# Altium PCB UmTRXv2.PcbDoc (part 13 of 25) (continued)
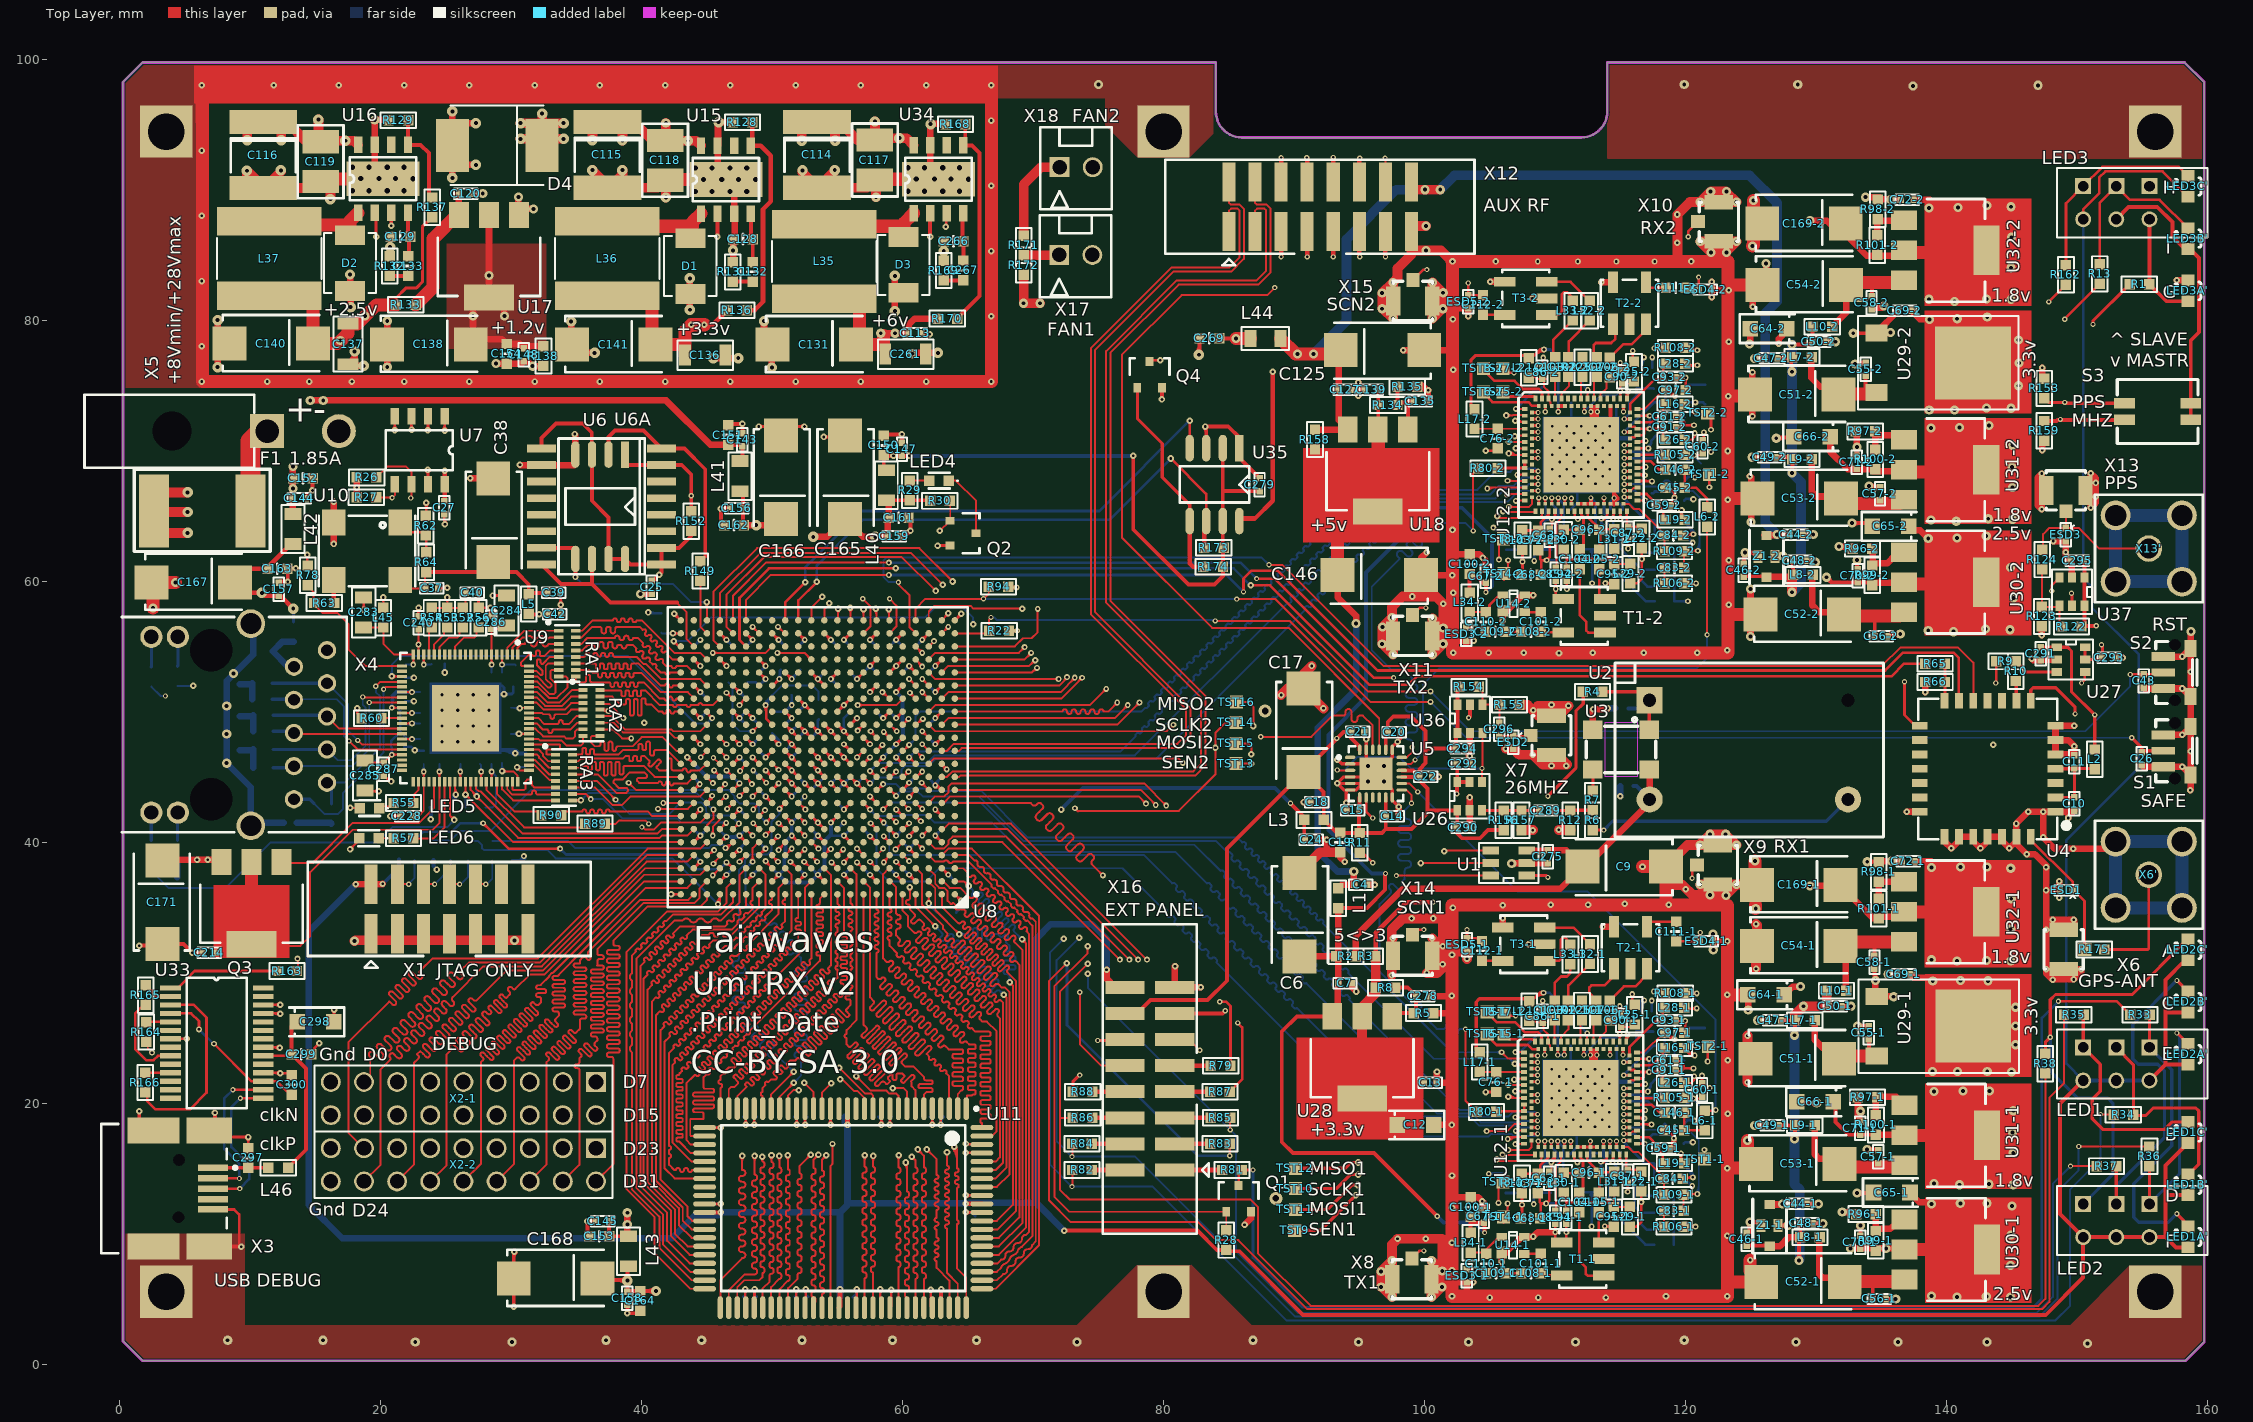
[diagram p0: Top Layer view]
## Nets (pads, with @x,y where several pads share a name; then routed paths per layer and width w, separated by ;. In a path a pad name is that pad's centre, name@x,y a point inside that pad or via, vN(x,y) a via of type N, cw(c..) or ccw(c..) an arc to the next point about the centre after c; other vN are vias at no path point) (continued)
NetC97-2_2: C97-2.2 R119-2.1 U12-2.87 | length 15
  Top Layer w0.15: U12-2.87@116.321,73.18 116.846,73.18 118.366,74.7 118.45,74.7 118.95,74.2 ; v2@119.056,74.241 ccw(c118.917,74.279) 119.019,74.381 ccw(c119.12,74.482) v2@119.159,74.344 ; C97-2.2@118.517,74.633 ccw(c119.2,75.315) v2@119.2,74.35 ; C97-2.2@118.517,74.633 ccw(c119.2,75.315) v2@119.2,74.35 ; C97-2.2@118.517,74.633 ccw(c119.2,75.315) v2@119.2,74.35 ; C97-2.2@118.773,74.377 ccw(c119.2,74.803) v2(119.2,74.2) ; C97-2.2@118.773,74.377 ccw(c119.2,74.803) v2(119.2,74.2) ; C97-2.2@118.773,74.377 ccw(c119.2,74.803) v2(119.2,74.2) ; C97-2.2@118.898,74.281 cw(c118.834,74.039) v2@119.063,74.14 ; C97-2.2@118.898,74.281 ccw(c118.963,74.522) v2@119.111,74.321 ; C97-2.2@118.898,74.281 ccw(c118.963,74.522) v2@119.111,74.321 ; C97-2.2@118.898,74.281 cw(c118.834,74.039) v2@119.063,74.14 ; C97-2.2@118.898,74.281 ccw(c118.963,74.522) v2@119.111,74.321 ; C97-2.2@118.898,74.281 cw(c118.834,74.039) v2@119.063,74.14 ; C97-2.2@118.9,74.43 cw(c118.772,73.953) v2(119.2,74.2) ; C97-2.2@118.9,74.43 cw(c118.772,73.953) v2(119.2,74.2) ; C97-2.2@118.9,74.43 cw(c118.772,73.953) v2(119.2,74.2) ; 118.95,74.2 cw(c118.95,74.067) v2@119.067,74.129 ; 118.95,74.2 ccw(c118.95,74.333) v2@119.068,74.271 ; 118.95,74.2 ccw(c118.95,74.333) v2@119.068,74.271 ; 118.95,74.2 cw(c118.95,74.067) v2@119.067,74.129 ; 118.95,74.2 ccw(c118.95,74.333) v2@119.068,74.271 ; 118.95,74.2 cw(c118.95,74.067) v2@119.067,74.129 ; 118.95,74.2 v2(119.2,74.2)
  Bottom Layer w0.15: v2(119.2,74.2) 119.15,74.15 119.2,74.1 119.2,73 119.45,72.75 119.75,72.75 R119-2.1@119.95,72.55 ; v2@119.094,74.094 cw(c118.838,73.838) 119.2,73.838 ; v2@119.094,74.094 cw(c118.838,73.838) 119.2,73.838 ; v2@119.094,74.094 cw(c118.838,73.838) 119.2,73.838 ; 119.2,73.838 cw(c119.562,73.838) v2@119.306,74.094 ; 119.2,73.838 cw(c119.562,73.838) v2@119.306,74.094 ; 119.2,73.838 cw(c119.562,73.838) v2@119.306,74.094
NetC98-1_1: C98-1.1 C99-1.1 R119-1.2 U12-1.80 | length 9
  Top Layer w0.2: v4@115.282,22.138 U12-1.80@115.707,22.138 ; v4@115.328,22.067 cw(c115.498,21.897) 115.498,22.138 ; v4@115.328,22.067 cw(c115.498,21.897) 115.498,22.138 ; v4@115.328,22.067 cw(c115.498,21.897) 115.498,22.138 ; v4@115.328,22.209 ccw(c115.498,22.379) 115.498,22.138 ; v4@115.328,22.209 ccw(c115.498,22.379) 115.498,22.138 ; v4@115.328,22.209 ccw(c115.498,22.379) 115.498,22.138
  Bottom Layer w0.2: v4(115.257,22.138) 117.527,24.408 C98-1.1@118.411,24.408 ; R119-1.2@118.411,23.258 C98-1.1@118.411,24.408 ; C99-1.1@118.411,25.508 C98-1.1@118.411,24.408 ; v4@115.257,22.238 ccw(c115.257,22.479) 115.428,22.309 ; v4@115.257,22.238 ccw(c115.257,22.479) 115.428,22.309 ; v4@115.257,22.238 ccw(c115.257,22.479) 115.428,22.309 ; v4@115.357,22.138 cw(c115.598,22.138) 115.428,22.309 ; v4@115.357,22.138 cw(c115.598,22.138) 115.428,22.309 ; v4@115.357,22.138 cw(c115.598,22.138) 115.428,22.309
NetC98-2_1: C98-2.1 C99-2.1 R119-2.2 U12-2.80 | length 9
  Top Layer w0.2: v4@115.321,71.43 U12-2.80@115.746,71.43 ; v4@115.367,71.359 cw(c115.537,71.188) 115.537,71.43 ; v4@115.367,71.359 cw(c115.537,71.188) 115.537,71.43 ; v4@115.367,71.359 cw(c115.537,71.188) 115.537,71.43 ; v4@115.367,71.501 ccw(c115.537,71.671) 115.537,71.43 ; v4@115.367,71.501 ccw(c115.537,71.671) 115.537,71.43 ; v4@115.367,71.501 ccw(c115.537,71.671) 115.537,71.43
  Bottom Layer w0.2: v4(115.296,71.43) 117.566,73.7 C98-2.1@118.45,73.7 ; R119-2.2@118.45,72.55 C98-2.1@118.45,73.7 ; C99-2.1@118.45,74.8 C98-2.1@118.45,73.7 ; v4@115.296,71.53 ccw(c115.296,71.771) 115.467,71.601 ; v4@115.296,71.53 ccw(c115.296,71.771) 115.467,71.601 ; v4@115.296,71.53 ccw(c115.296,71.771) 115.467,71.601 ; v4@115.396,71.43 cw(c115.637,71.43) 115.467,71.601 ; v4@115.396,71.43 cw(c115.637,71.43) 115.467,71.601 ; v4@115.396,71.43 cw(c115.637,71.43) 115.467,71.601
NetC99-1_2: C99-1.2 R121-1.1 | length 1.7
  Bottom Layer w0.2: C99-1.2@119.911,25.508 120.161,25.758 R121-1.1@121.461,25.758
NetC99-2_2: C99-2.2 R121-2.1 | length 1.7
  Bottom Layer w0.2: C99-2.2@119.95,74.8 120.2,75.05 R121-2.1@121.5,75.05
NetC101-1_1: C101-1.1 C108-1.1 T1-1.4 | length 1.8
  Top Layer w0.2: C101-1.1@108.65,6.788 T1-1.4@110.461,6.788
NetC101-1_2: C101-1.2 U14-1.3 | length 1.1
  Top Layer w0.2: U14-1.3@107.625,8.45 C101-1.2@108.75,8.45
NetC101-2_1: C101-2.1 C108-2.1 T1-2.4 | length 1.8
  Top Layer w0.2: C101-2.1@108.7,56.08 T1-2.4@110.5,56.08
NetC101-2_2: C101-2.2 U14-2.3 | length 1.2
  Top Layer w0.2: U14-2.3@107.675,57.625 C101-2.2@108.9,57.625
NetC102-1_1: C102-1.1 U12-1.108 | length 1.9
  Top Layer w0.15: U12-1.108@110.457,24.713 110.457,25.104 111.011,25.658 C102-1.1@111.011,26.358
NetC102-1_2: C102-1.2 L32-1.1 | length 3.5
  Top Layer w0.2: C102-1.2@111.011,27.858 111.011,29.011 L32-1.1@112.675,30.675
NetC102-2_1: C102-2.1 U12-2.108 | length 1.9
  Top Layer w0.15: U12-2.108@110.496,74.005 110.496,74.396 111.05,74.95 C102-2.1@111.05,75.65
NetC102-2_2: C102-2.2 L32-2.1 | length 3.5
  Top Layer w0.2: C102-2.2@111.05,77.15 111.05,78.375 L32-2.1@112.65,79.975
NetC103-1_1: C103-1.1 U12-1.110 | length 1.6
  Top Layer w0.15: U12-1.110@109.957,24.713 109.957,26.354 C103-1.1@109.961,26.358
NetC103-1_2: C103-1.2 L33-1.1 | length 3.6
  Top Layer w0.2: C103-1.2@109.961,27.858 109.961,29.209 110.452,29.7 110.9,29.7 111.175,29.975 L33-1.1@111.175,30.65
NetC103-2_1: C103-2.1 U12-2.110 | length 1.6
  Top Layer w0.15: U12-2.110@109.996,74.005 109.996,75.646 C103-2.1@110,75.65
NetC103-2_2: C103-2.2 L33-2.1 | length 3.5
  Top Layer w0.2: C103-2.2@110,77.15 109.85,77.3 109.85,78.475 L33-2.1@111.35,79.975
NetC104-1_2: C104-1.2 T1-1.3 | length 6.3
  Top Layer w0.2: C104-1.2@111.857,11.638 111.857,7.893 112.361,7.389 112.361,6.908 112.511,6.758 113.631,6.758 T1-1.3@113.661,6.788
NetC104-2_2: C104-2.2 T1-2.3 | length 6.3
  Top Layer w0.2: C104-2.2@111.896,60.93 111.896,57.379 112.4,56.875 112.4,56.2 112.55,56.05 113.67,56.05 T1-2.3@113.7,56.08
NetC105-1_2: C105-1.2 T1-1.1 | length 2.4
  Top Layer w0.2: C105-1.2@113.357,11.638 113.357,10.212 ; 113.361,10.208 113.357,10.212 ; T1-1.1@113.661,9.328 113.357,9.632 113.357,10.212
NetC105-2_2: C105-2.2 T1-2.1 | length 2.4
  Top Layer w0.2: C105-2.2@113.396,60.93 113.396,59.504 ; 113.4,59.5 113.396,59.504 ; T1-2.1@113.7,58.62 113.396,58.924 113.396,59.504
NetC106-1_1: C106-1.1 U12-1.96 | length 1.6
  Top Layer w0.15: U12-1.96@113.457,24.713 113.457,25.054 113.911,25.508 C106-1.1@113.911,26.108
NetC106-1_2: C106-1.2 T2-1.1 | length 4.2
  Top Layer w0.2: C106-1.2@114.157,27.838 115.269,28.95 116.15,28.95 117.045,29.845 T2-1.1@117.045,30.3
NetC106-2_1: C106-2.1 U12-2.96 | length 1.6
  Top Layer w0.15: U12-2.96@113.496,74.005 113.496,74.346 113.95,74.8 C106-2.1@113.95,75.4
NetC106-2_2: C106-2.2 T2-2.1 | length 4.1
  Top Layer w0.2: C106-2.2@114.196,77.13 115.216,78.15 115.875,78.15 116.97,79.245 T2-2.1@116.97,79.7
NetC107-1_1: C107-1.1 U12-1.98 | length 1.7
  Top Layer w0.15: U12-1.98@112.957,24.713 112.957,26.204 C107-1.1@113.111,26.358
NetC107-1_2: C107-1.2 T2-1.3 | length 4
  Top Layer w0.2: C107-1.2@113.111,27.858 113.111,27.964 112.625,28.45 112.625,28.875 112.775,29.025 113.8,29.025 114.505,29.73 T2-1.3@114.505,30.3
NetC107-2_1: C107-2.1 U12-2.98 | length 1.7
  Top Layer w0.15: U12-2.98@112.996,74.005 112.996,75.496 C107-2.1@113.15,75.65
NetC107-2_2: C107-2.2 T2-2.3 | length 4.1
  Top Layer w0.2: C107-2.2@113.15,77.15 112.975,77.325 112.975,78.1 113.125,78.25 114.3,78.25 114.625,78.575 114.625,79.075 114.43,79.27 T2-2.3@114.43,79.7
NetC108-1_2: C108-1.2 C109-1.1 | length 1.2
  Top Layer w0.2: C109-1.1@106.225,6.95 C108-1.2@107.4,6.95
NetC108-2_2: C108-2.2 C109-2.1 | length 1.2
  Top Layer w0.2: C109-2.1@106.175,56.125 C108-2.2@107.4,56.125
NetC110-1_1: C110-1.1 L34-1.2 U14-1.1 | length 3
  Top Layer w0.15: L34-1.2@103.525,8.55 C110-1.1@104.725,8.55 ; U14-1.1@105.7,9.75 U14-1.1@105.925,9.75
  Top Layer w0.2: C110-1.1@104.725,8.55 104.725,8.775 U14-1.1@105.7,9.75
NetC110-2_1: C110-2.1 L34-2.2 U14-2.1 | length 3.2
  Top Layer w0.15: L34-2.2@103.45,57.625 C110-2.1@104.675,57.625
  Top Layer w0.2: C110-2.1@104.675,57.625 104.975,57.925 104.975,58.175 105.725,58.925 U14-2.1@105.975,58.925
NetC111-1_2: C111-1.2 T2-1.6 | length 2.8
  Top Layer w0.15: T2-1.6@117.045,33.5 117.045,34.045 T2-1.6@117.19,33.9
  Top Layer w0.2: T2-1.6@117.19,33.9 C111-1.2@119.275,33.9
NetC111-2_2: C111-2.2 T2-2.6 | length 1.8
  Top Layer w0.2: T2-2.6@116.97,82.9 116.97,82.68 117.175,82.475 C111-2.2@118.5,82.475
NetC112-1_1: C112-1.1 T3-1.4 | length 1.6
  Top Layer w0.15: C112-1.1@104.4,30.925 C112-1.1@104.42,30.905
  Top Layer w0.2: C112-1.1@104.42,30.905 T3-1.4@106,30.905
NetC112-2_1: C112-2.1 T3-2.4 | length 1.7
  Top Layer w0.2: C112-2.1@104.475,80.425 104.495,80.405 T3-2.4@106.15,80.405
NetC120_1: C120.1 R133.2 U17.3 | length 9.9
  Top Layer w0.5: U17.3@26,88.525 C120.1@26,89.675
  Top Layer w1: R133.2@22.675,81.175 24.025,82.525 24.025,86.25 26,88.225 U17.3@26,88.525
NetC128_1: C128.1 C132.1 U15.4 | length 3.7
  Top Layer w0.3: U15.4@48.393,88.179 48.393,86.29 48.415,86.268 C128.1@48.434,86.287 ; C132.1@48.515,84.425 C128.1@48.515,86.218
NetC129_1: C129.1 C133.1 U16.4 | length 3.3
  Top Layer w0.3: C129.1@22.08,86.45 U16.4@22.08,88.295 ; C133.1@22.175,84.855 C129.1@22.175,86.35
NetC132_2: C132.2 R131.1 | length 1.5
  Top Layer w0.3: R131.1@46.975,82.95 C132.2@48.5,82.95 C132.2@48.525,82.95
NetC133_2: C133.2 R132.1 | length 1.3
  Top Layer w0.3: R132.1@20.75,83.4 C133.2@22.099,83.4
NetC135_1: C135.1 R134.2 R135.1 U18.1 | length 4.7
  Top Layer w0.3: R135.1@97.925,75 R135.1@97.925,74.9 97.925,73.75 97.975,73.7 98.725,73.7 ; U18.1@98.725,71.625 98.725,73.7 ; C135.1@99.225,73.8 98.825,73.8 98.725,73.7
NetC137_1: C137.1 C140.1 C143.1 C144.1 C145.1 C151.1 C152.1 C153.1 L37.2 L41.1 L42.1 L43.1 R133.1 R137.1 | length 174.7
  Top Layer w0.25: R133.1@21.175,81.175 21.175,81.7 21.95,82.475 22.75,82.475 23.2,82.925 23.2,87.15 R137.1@23.95,87.9
  Top Layer w0.3: C145.1@37.5,10.95 C153.1@37.5,9.8 L43.1@39,9.8 ; C151.1@46.625,70.45 47.675,70.45 C143.1@47.725,70.4 ; L41.1@47.525,69.2 47.725,69.4 C143.1@47.725,70.35
  Top Layer w0.5: L42.1@13.275,65.175 v3(13.275,67.1) v3(13.275,68.8) ; v3(14.6,73.85) v3(15.6,73.85) 41.875,73.85 45.275,70.45 C151.1@46.275,70.45 ; v3@38.9,11.4 v3(38.9,10.7) 38.9,9.9 L43.1@39,9.8
  Top Layer w1: L37.2@11.4,82.05 14.65,82.05 14.8,81.9 C140.1@14.8,78.2 16.7,78.2 17.5,79 C137.1@17.5,79.725 18.225,79.725 19.675,81.175 R133.1@21.175,81.175
  Mid-Layer 2 w0.5: v3(18.8,80.325) 16.925,78.45 v3(16.9,78.45) 15.6,77.15 v3(15.6,73.85) v3(14.6,73.85) 14.6,70.125 v3(13.275,68.8) v3(13.275,67.1) 13.275,62.425 12,61.15 12,36.5 1.75,26.25 1.75,22.975 13.125,11.6 v3(38.9,11.6) v3(38.9,10.7)
NetC146-1_2: C146-1.2 U12-1.71 | length 2.4
  Top Layer w0.2: U12-1.71@116.282,19.888 117.387,19.888 118.025,19.25 C146-1.2@118.4,19.25
NetC146-2_2: C146-2.2 U12-2.71 | length 2.4
  Top Layer w0.2: U12-2.71@116.321,69.18 117.345,69.18 117.975,68.55 C146-2.2@118.45,68.55
NetC214_2: C214.2 C236.1 C237.1 C238.1 C239.1 C240.1 C241.1 C242.1 C243.1 C244.1 C245.1 C280.1 C284.1 C285.1 C286.2 C287.2 Q3.2 Q3.4 U9.6 U9.19 U9.20 U9.27 U9.30 U9.33 U9.36 U9.39 U9.48 U9.56 U9.63 | length 112.6
  Top Layer w0.1: U9.63@30.5,44.625 U9.63@30.5,44.975
  Top Layer w0.15: Q3.4@10.1,32.85 10.9,32.05 13.85,32.05 14.6,32.8 14.6,37.7 17.85,40.95 24,40.95 24.5,41.45 U9.48@24.5,44.625 v2(24.5,45.4) ; C285.1@18.8,46.05 18.85,46.1 C287.2@20.25,46.1 v2(20.85,46.7) ; v2(20.85,50.3) U9.30@21.625,50.3 ; U9.39@21.625,46.7 v2(20.85,46.7) ; U9.36@21.625,47.9 v2(22.4,47.9) ; U9.33@21.625,49.1 v2(22.4,49.1) ; U9.27@21.625,51.5 v2(22.4,51.5) ; U9.20@22.9,54.375 v2(22.9,55.15) C240.1@22.9,56.3 ; v2(23.3,53.6) U9.19@23.3,54.375 ; U9.56@27.7,44.625 v2(27.7,45.4) ; v2(28.5,53.6) U9.6@28.5,54.375 28.5,56.25 28.4,56.35 C286.2@28.475,56.35 29.4,56.35 C284.1@29.65,56.6 ; v1(29.3,45.45) 29.3,45.4 30.199,45.4 30.274,45.325 ; 30.275,45.325 30.5,45.1 U9.63@30.5,44.975 ; 20.594,46.444 cw(c20.85,46.188) v2@20.85,46.55 ; 20.594,46.444 ccw(c20.338,46.7) v2@20.7,46.7 ; 20.594,46.444 ccw(c20.338,46.7) v2@20.7,46.7 ; 20.594,46.444 cw(c20.85,46.188) v2@20.85,46.55 ; 20.594,46.444 ccw(c20.338,46.7) v2@20.7,46.7 ; 20.594,46.444 cw(c20.85,46.188) v2@20.85,46.55 ; 20.649,46.511 cw(c20.903,46.443) v2(20.85,46.7) ; 20.649,46.511 cw(c20.903,46.443) v2(20.85,46.7) ; 20.649,46.511 cw(c20.903,46.443) v2(20.85,46.7) ; 20.661,46.499 ccw(c20.593,46.753) v2(20.85,46.7) ; 20.661,46.499 ccw(c20.593,46.753) v2(20.85,46.7) ; 20.661,46.499 ccw(c20.593,46.753) v2(20.85,46.7) ; v2@20.956,46.594 cw(c21.212,46.338) 21.212,46.7 ; v2@20.956,46.594 cw(c21.212,46.338) 21.212,46.7 ; v2@20.956,46.594 cw(c21.212,46.338) 21.212,46.7 ; v2@20.956,46.806 ccw(c21.212,47.062) 21.212,46.7 ; v2@20.956,46.806 ccw(c21.212,47.062) 21.212,46.7 ; v2@20.956,46.806 ccw(c21.212,47.062) 21.212,46.7 ; v2@20.956,50.194 cw(c21.212,49.938) 21.212,50.3 ; v2@20.956,50.194 cw(c21.212,49.938) 21.212,50.3 ; v2@20.956,50.194 cw(c21.212,49.938) 21.212,50.3 ; v2@20.956,50.406 ccw(c21.212,50.662) 21.212,50.3 ; v2@20.956,50.406 ccw(c21.212,50.662) 21.212,50.3 ; v2@20.956,50.406 ccw(c21.212,50.662) 21.212,50.3 ; 22.038,47.9 cw(c22.038,47.538) v2@22.294,47.794 ; 22.038,47.9 ccw(c22.038,48.262) v2@22.294,48.006 ; 22.038,47.9 ccw(c22.038,48.262) v2@22.294,48.006 ; 22.038,47.9 cw(c22.038,47.538) v2@22.294,47.794 ; 22.038,47.9 ccw(c22.038,48.262) v2@22.294,48.006 ; 22.038,47.9 cw(c22.038,47.538) v2@22.294,47.794 ; 22.038,49.1 cw(c22.038,48.738) v2@22.294,48.994 ; 22.038,49.1 ccw(c22.038,49.462) v2@22.294,49.206 ; 22.038,49.1 ccw(c22.038,49.462) v2@22.294,49.206 ; 22.038,49.1 cw(c22.038,48.738) v2@22.294,48.994 ; 22.038,49.1 ccw(c22.038,49.462) v2@22.294,49.206 ; 22.038,49.1 cw(c22.038,48.738) v2@22.294,48.994 ; 22.038,51.5 cw(c22.038,51.138) v2@22.294,51.394 ; 22.038,51.5 ccw(c22.038,51.862) v2@22.294,51.606 ; 22.038,51.5 ccw(c22.038,51.862) v2@22.294,51.606 ; 22.038,51.5 cw(c22.038,51.138) v2@22.294,51.394 ; 22.038,51.5 ccw(c22.038,51.862) v2@22.294,51.606 ; 22.038,51.5 cw(c22.038,51.138) v2@22.294,51.394 ; v2@22.794,55.044 cw(c22.538,54.788) 22.9,54.788 ; v2@22.794,55.044 cw(c22.538,54.788) 22.9,54.788 ; v2@22.794,55.044 cw(c22.538,54.788) 22.9,54.788 ; v2@22.794,55.256 ccw(c22.538,55.512) 22.9,55.512 ; v2@22.794,55.256 ccw(c22.538,55.512) 22.9,55.512 ; v2@22.794,55.256 ccw(c22.538,55.512) 22.9,55.512 ; 22.9,54.788 cw(c23.262,54.788) v2@23.006,55.044 ; 22.9,54.788 cw(c23.262,54.788) v2@23.006,55.044 ; 22.9,54.788 cw(c23.262,54.788) v2@23.006,55.044 ; 22.9,55.512 ccw(c23.262,55.512) v2@23.006,55.256 ; 22.9,55.512 ccw(c23.262,55.512) v2@23.006,55.256 ; 22.9,55.512 ccw(c23.262,55.512) v2@23.006,55.256 ; v2@23.194,53.706 ccw(c22.938,53.962) 23.3,53.962 ; v2@23.194,53.706 ccw(c22.938,53.962) 23.3,53.962 ; v2@23.194,53.706 ccw(c22.938,53.962) 23.3,53.962 ; 23.3,53.962 ccw(c23.662,53.962) v2@23.406,53.706 ; 23.3,53.962 ccw(c23.662,53.962) v2@23.406,53.706 ; 23.3,53.962 ccw(c23.662,53.962) v2@23.406,53.706 ; v2@24.394,45.294 cw(c24.138,45.038) 24.5,45.038 ; v2@24.394,45.294 cw(c24.138,45.038) 24.5,45.038 ; v2@24.394,45.294 cw(c24.138,45.038) 24.5,45.038 ; 24.5,45.038 cw(c24.862,45.038) v2@24.606,45.294 ; 24.5,45.038 cw(c24.862,45.038) v2@24.606,45.294 ; 24.5,45.038 cw(c24.862,45.038) v2@24.606,45.294 ; v2@27.594,45.294 cw(c27.338,45.038) 27.7,45.038 ; v2@27.594,45.294 cw(c27.338,45.038) 27.7,45.038 ; v2@27.594,45.294 cw(c27.338,45.038) 27.7,45.038 ; 27.7,45.038 cw(c28.062,45.038) v2@27.806,45.294 ; 27.7,45.038 cw(c28.062,45.038) v2@27.806,45.294 ; 27.7,45.038 cw(c28.062,45.038) v2@27.806,45.294 ; v2@28.394,53.706 ccw(c28.138,53.962) 28.5,53.962 ; v2@28.394,53.706 ccw(c28.138,53.962) 28.5,53.962 ; v2@28.394,53.706 ccw(c28.138,53.962) 28.5,53.962 ; 28.5,53.962 ccw(c28.862,53.962) v2@28.606,53.706 ; 28.5,53.962 ccw(c28.862,53.962) v2@28.606,53.706 ; 28.5,53.962 ccw(c28.862,53.962) v2@28.606,53.706 ; v1@29.424,45.326 cw(c29.602,45.148) 29.602,45.4 ; v1@29.424,45.326 cw(c29.602,45.148) 29.602,45.4 ; v1@29.424,45.326 cw(c29.602,45.148) 29.602,45.4 ; v1@29.424,45.574 ccw(c29.843,45.993) 29.843,45.4 ; v1@29.424,45.574 ccw(c29.843,45.993) 29.843,45.4 ; v1@29.424,45.574 ccw(c29.843,45.993) 29.843,45.4
  Top Layer w0.3: C214.2@7.35,31.525 Q3.4@8.55,31.525
  Top Layer w1: Q3.4@10.1,32.175 10.1,32.85 Q3.2@10.1,38.475
  Mid-Layer 2 w0.3: v2(22.4,51.5) 23.8,52.9 23.8,54.25 v2(22.9,55.15)
  Bottom Layer w0.15: C245.1@20.8,47.3 20.85,47.25 v2(20.85,46.7) ; v2(20.85,50.3) 20.85,50.75 C242.1@20.9,50.8 ; v2(22.4,47.9) C244.1@23,47.9 ; v2(22.4,49.1) C243.1@23,49.1 ; v2(22.4,51.5) C241.1@23,51.5 ; v2(23.3,53.6) 23.85,53.6 C237.1@23.9,53.65 ; v2(24.5,45.4) C238.1@24.5,46 ; C239.1@27.6,46 27.7,45.9 v2(27.7,45.4) ; C236.1@28.5,53 v2(28.5,53.6) ; v1(29.3,45.45) C280.1@29.3,46.05 ; v2@20.744,46.806 ccw(c20.488,47.062) C245.1@20.85,47.062 ; v2@20.744,46.806 ccw(c20.488,47.062) C245.1@20.85,47.062 ; v2@20.744,46.806 ccw(c20.488,47.062) C245.1@20.85,47.062 ; v2@20.744,50.406 ccw(c20.488,50.662) C242.1@20.85,50.662 ; v2@20.744,50.406 ccw(c20.488,50.662) C242.1@20.85,50.662 ; v2@20.744,50.406 ccw(c20.488,50.662) C242.1@20.85,50.662 ; C245.1@20.85,47.062 ccw(c21.212,47.062) v2@20.956,46.806 ; C245.1@20.85,47.062 ccw(c21.212,47.062) v2@20.956,46.806 ; C245.1@20.85,47.062 ccw(c21.212,47.062) v2@20.956,46.806 ; C242.1@20.85,50.662 ccw(c21.212,50.662) v2@20.956,50.406 ; C242.1@20.85,50.662 ccw(c21.212,50.662) v2@20.956,50.406 ; C242.1@20.85,50.662 ccw(c21.212,50.662) v2@20.956,50.406 ; v2@22.506,47.794 cw(c22.762,47.538) C244.1@22.762,47.9 ; v2@22.506,47.794 cw(c22.762,47.538) C244.1@22.762,47.9 ; v2@22.506,47.794 cw(c22.762,47.538) C244.1@22.762,47.9 ; v2@22.506,48.006 ccw(c22.762,48.262) C244.1@22.762,47.9 ; v2@22.506,48.006 ccw(c22.762,48.262) C244.1@22.762,47.9 ; v2@22.506,48.006 ccw(c22.762,48.262) C244.1@22.762,47.9 ; v2@22.506,48.994 cw(c22.762,48.738) C243.1@22.762,49.1 ; v2@22.506,48.994 cw(c22.762,48.738) C243.1@22.762,49.1 ; v2@22.506,48.994 cw(c22.762,48.738) C243.1@22.762,49.1 ; v2@22.506,49.206 ccw(c22.762,49.462) C243.1@22.762,49.1 ; v2@22.506,49.206 ccw(c22.762,49.462) C243.1@22.762,49.1 ; v2@22.506,49.206 ccw(c22.762,49.462) C243.1@22.762,49.1 ; v2@22.506,51.394 cw(c22.762,51.138) C241.1@22.762,51.5 ; v2@22.506,51.394 cw(c22.762,51.138) C241.1@22.762,51.5 ; v2@22.506,51.394 cw(c22.762,51.138) C241.1@22.762,51.5 ; v2@22.506,51.606 ccw(c22.762,51.862) C241.1@22.762,51.5 ; v2@22.506,51.606 ccw(c22.762,51.862) C241.1@22.762,51.5 ; v2@22.506,51.606 ccw(c22.762,51.862) C241.1@22.762,51.5 ; v2@23.406,53.494 cw(c23.662,53.238) C237.1@23.662,53.6 ; v2@23.406,53.494 cw(c23.662,53.238) C237.1@23.662,53.6 ; v2@23.406,53.494 cw(c23.662,53.238) C237.1@23.662,53.6 ; v2@23.406,53.706 ccw(c23.662,53.962) C237.1@23.662,53.6 ; v2@23.406,53.706 ccw(c23.662,53.962) C237.1@23.662,53.6 ; v2@23.406,53.706 ccw(c23.662,53.962) C237.1@23.662,53.6 ; v2@24.394,45.506 ccw(c24.138,45.762) C238.1@24.5,45.762 ; v2@24.394,45.506 ccw(c24.138,45.762) C238.1@24.5,45.762 ; v2@24.394,45.506 ccw(c24.138,45.762) C238.1@24.5,45.762 ; C238.1@24.5,45.762 ccw(c24.862,45.762) v2@24.606,45.506 ; C238.1@24.5,45.762 ccw(c24.862,45.762) v2@24.606,45.506 ; C238.1@24.5,45.762 ccw(c24.862,45.762) v2@24.606,45.506 ; v2@27.594,45.506 ccw(c27.338,45.762) C239.1@27.7,45.762 ; v2@27.594,45.506 ccw(c27.338,45.762) C239.1@27.7,45.762 ; v2@27.594,45.506 ccw(c27.338,45.762) C239.1@27.7,45.762 ; C239.1@27.7,45.762 ccw(c28.062,45.762) v2@27.806,45.506 ; C239.1@27.7,45.762 ccw(c28.062,45.762) v2@27.806,45.506 ; C239.1@27.7,45.762 ccw(c28.062,45.762) v2@27.806,45.506 ; v2@28.394,53.494 cw(c28.138,53.238) C236.1@28.5,53.238 ; v2@28.394,53.494 cw(c28.138,53.238) C236.1@28.5,53.238 ; v2@28.394,53.494 cw(c28.138,53.238) C236.1@28.5,53.238 ; C236.1@28.5,53.238 cw(c28.862,53.238) v2@28.606,53.494 ; C236.1@28.5,53.238 cw(c28.862,53.238) v2@28.606,53.494 ; C236.1@28.5,53.238 cw(c28.862,53.238) v2@28.606,53.494 ; v1@29.176,45.574 ccw(c28.878,45.872) C280.1@29.3,45.872 ; v1@29.176,45.574 ccw(c28.878,45.872) C280.1@29.3,45.872 ; v1@29.176,45.574 ccw(c28.878,45.872) C280.1@29.3,45.872 ; C280.1@29.3,45.873 ccw(c29.723,45.873) v1@29.424,45.574 ; C280.1@29.3,45.873 ccw(c29.723,45.873) v1@29.424,45.574 ; C280.1@29.3,45.873 ccw(c29.723,45.873) v1@29.424,45.574
  Bottom Layer w0.2: C245.1@20.8,47.3 20.8,47.75 21.5,48.45 ; v2(20.85,50.3) 21.25,50.3 21.5,50.05 21.5,49.05 ; v2(22.4,47.9) 22.05,47.9 21.5,48.45 ; v2(22.4,49.1) 22.35,49.05 21.5,49.05 ; v2@20.938,50.212 cw(c21.152,49.998) 21.152,50.3 ; v2@20.938,50.212 cw(c21.152,49.998) 21.152,50.3 ; v2@20.938,50.212 cw(c21.152,49.998) 21.152,50.3 ; v2@20.938,50.388 ccw(c21.152,50.602) 21.152,50.3 ; v2@20.938,50.388 ccw(c21.152,50.602) 21.152,50.3 ; v2@20.938,50.388 ccw(c21.152,50.602) 21.152,50.3 ; 21.5,48.45 21.5,49.05 ; 21.978,49.05 ccw(c21.978,49.522) v2@22.312,49.188 ; 21.978,49.05 ccw(c21.978,49.522) v2@22.312,49.188 ; 21.978,49.05 ccw(c21.978,49.522) v2@22.312,49.188 ; 22.098,47.9 cw(c22.098,47.598) v2@22.312,47.812 ; 22.098,47.9 ccw(c22.098,48.202) v2@22.312,47.988 ; 22.098,47.9 ccw(c22.098,48.202) v2@22.312,47.988 ; 22.098,47.9 cw(c22.098,47.598) v2@22.312,47.812 ; 22.098,47.9 ccw(c22.098,48.202) v2@22.312,47.988 ; 22.098,47.9 cw(c22.098,47.598) v2@22.312,47.812
  Bottom Layer w0.3: C242.1@20.9,50.8 20.9,51.2 21.2,51.5 v2(22.4,51.5)
NetC266_1: C266.1 C267.1 U34.4 | length 3.4
  Top Layer w0.3: U34.4@64.603,88.042 64.603,86.097 C266.1@64.65,86.05 C267.1@64.65,84.625
NetC267_2: C267.2 R169.1 | length 1.5
  Top Layer w0.3: R169.1@63.15,83.05 C267.2@64.65,83.05
NetC278_1: C278.1 R5.2 R8.1 U28.1 | length 5
  Top Layer w0.3: U28.1@97.507,26.654 97.757,26.904 R5.2@99.157,26.904 99.357,27.104 C278.1@99.357,28.204 98.707,28.854 R8.1@97.757,28.854
NetC281_1: C281.1 C282.1 C283.1 L45.2 U9.21 U9.31 | length 19.2
  Top Layer w0.15: C283.1@18.7,56.45 L45.2@20.2,56.45 20.2,55.2 21.025,54.375 U9.21@22.5,54.375 v2(22.5,53.6) ; U9.31@21.625,49.9 v2(22.4,49.9) ; 22.038,49.9 cw(c22.038,49.538) v2@22.294,49.794 ; 22.038,49.9 ccw(c22.038,50.262) v2@22.294,50.006 ; 22.038,49.9 ccw(c22.038,50.262) v2@22.294,50.006 ; 22.038,49.9 cw(c22.038,49.538) v2@22.294,49.794 ; 22.038,49.9 ccw(c22.038,50.262) v2@22.294,50.006 ; 22.038,49.9 cw(c22.038,49.538) v2@22.294,49.794 ; v2@22.394,53.706 ccw(c22.138,53.962) 22.5,53.962 ; v2@22.394,53.706 ccw(c22.138,53.962) 22.5,53.962 ; v2@22.394,53.706 ccw(c22.138,53.962) 22.5,53.962 ; 22.5,53.962 ccw(c22.862,53.962) v2@22.606,53.706 ; 22.5,53.962 ccw(c22.862,53.962) v2@22.606,53.706 ; 22.5,53.962 ccw(c22.862,53.962) v2@22.606,53.706
  Mid-Layer 2 w0.3: v2(22.4,49.9) 21.75,50.55 21.75,52.85 v2(22.5,53.6)
  Bottom Layer w0.15: C281.1@21.9,53.6 v2(22.5,53.6) ; v2(22.4,49.9) C282.1@23,49.9 ; C281.1@22.138,53.6 cw(c22.138,53.238) v2@22.394,53.494 ; C281.1@22.138,53.6 ccw(c22.138,53.962) v2@22.394,53.706 ; C281.1@22.138,53.6 ccw(c22.138,53.962) v2@22.394,53.706 ; C281.1@22.138,53.6 cw(c22.138,53.238) v2@22.394,53.494 ; C281.1@22.138,53.6 ccw(c22.138,53.962) v2@22.394,53.706 ; C281.1@22.138,53.6 cw(c22.138,53.238) v2@22.394,53.494 ; v2@22.506,49.794 cw(c22.762,49.538) C282.1@22.762,49.9 ; v2@22.506,49.794 cw(c22.762,49.538) C282.1@22.762,49.9 ; v2@22.506,49.794 cw(c22.762,49.538) C282.1@22.762,49.9 ; v2@22.506,50.006 ccw(c22.762,50.262) C282.1@22.762,49.9 ; v2@22.506,50.006 ccw(c22.762,50.262) C282.1@22.762,49.9 ; v2@22.506,50.006 ccw(c22.762,50.262) C282.1@22.762,49.9
NetC289_1: C289.1 R156.2 R157.1 U26.3 | length 4.4
  Top Layer w0.25: U26.3@104.402,42.44 104.417,42.425 R156.2@106.05,42.425 R157.1@107.425,42.425 C289.1@108.8,42.425
NetC289_2: C289.2 R6.2 R7.2 R12.2 | length 3.1
  Top Layer w0.25: C289.2@109.8,42.425 R12.2@111.175,42.425 111.2,42.45 R7.2@112.9,42.45
NetC296_2: C296.2 R154.1 R155.1 U36.4 | length 4.2
  Top Layer w0.15: R154.1@104.151,51.9 104.426,51.625 U36.4@104.426,50.535 105.74,50.535 R155.1@105.75,50.525 105.75,49.175 C296.2@105.725,49.15
NetC297_2: C297.2 L46.1 X3.1 | length 4
  Top Layer w0.3: X3.1@7.4,15.05 C297.2@9.85,15.05 L46.1@11.4,15.05
NetC298_1: C298.1 C299.2 L46.2 U33.20 | length 14.6
  Top Layer w0.2: U33.20@11,23.625 C299.2@13.175,23.625
  Top Layer w0.3: L46.2@12.9,15.05 14.275,16.425 14.275,22.65 13.3,23.625 C299.2@13.175,23.625 ; C299.2@13.175,23.75 13.175,25.875 C298.1@13.625,26.325
NetC300_2: C300.2 U33.4 U33.17 | length 12.2
  Top Layer w0.2: U33.4@3.9,26.875 5.475,26.875 6.075,26.275 v2(6.075,25.65) ; v2(7.225,24.55) 10.1,21.675 U33.17@11,21.675 12.05,21.675 C300.2@13.125,20.6
  Bottom Layer w0.2: v2(6.075,25.65) 7.175,24.55 v2(7.225,24.55)
NetD1_1: D1.1 L36.1 U15.1 | length 8.8
  Top Layer w1: L36.1@37.375,87.575 37.75,87.2 43.725,87.2 ; D1.1@43.725,86.285 43.725,87.2 ; 43.95,87.575 U15.1@44.545,88.17 ; 43.725,87.2 43.725,87.35 43.875,87.2 43.725,87.2
NetD2_1: D2.1 L37.1 U16.1 | length 8.4
  Top Layer w1: L37.1@11.4,87.55 11.65,87.3 17.451,87.3 17.65,87.499 D2.1@17.65,86.51 ; 17.599,87.55 U16.1@18.278,88.229
NetD3_1: D3.1 L35.1 U34.1 | length 8.8
  Top Layer w1: L35.1@53.8,87.6 54.2,87.2 59.85,87.2 60.1,87.45 ; D3.1@60.1,86.235 60.1,87.45 ; U34.1@60.845,88.195 60.1,87.45
NetF1_1: F1.1 X5.1 | length 6.4
  Top Layer w1.5: F1.1@10.025,65.375 10.025,70.725 X5.1@10.8,71.5
NetL32-1_2: L32-1.2 T3-1.1 | length 4
  Top Layer w0.2: T3-1.1@109.2,33.445 111.405,33.445 L32-1.2@112.675,32.175
NetL32-2_2: L32-2.2 T3-2.1 | length 3.9
  Top Layer w0.2: T3-2.1@109.35,82.945 111.18,82.945 L32-2.2@112.65,81.475
NetL33-1_2: L33-1.2 T3-1.3 | length 3.8
  Top Layer w0.2: T3-1.3@109.2,30.905 110.305,30.905 110.45,31.05 110.45,32.541 110.584,32.675 110.75,32.675 L33-1.2@111.225,32.2
NetL33-2_2: L33-2.2 T3-2.3 | length 3.9
  Top Layer w0.2: T3-2.3@109.35,80.405 110.28,80.405 110.525,80.65 110.525,82 110.65,82.125 110.95,82.125 111.35,81.725 L33-2.2@111.35,81.475
NetLED1_1: LED1.1 LED1A'.1 R33.1 | length 22.5
  Top Layer w0.25: LED1.1@155.55,24.27 155.55,26.75 R33.1@155.575,26.775 ; v4(157.65,11.525) 158.5,10.675 LED1A'.1@158.5,10.55
  Bottom Layer w0.25: LED1.1@155.55,24.27 157.25,22.57 157.25,16.725 154.35,13.825 154.35,11.25 154.725,10.875 157,10.875 v4(157.65,11.525)
NetLED1_2: LED1.2 LED1B'.1 R34.1 | length 16.3
  Top Layer w0.25: LED1.2@153.01,24.27 154.325,22.955 154.325,19.05 155.275,19.05 155.85,19.625 159.1,19.625 159.325,19.4 159.325,15.3 158.575,14.55 LED1B'.1@158.5,14.55
NetLED1_3: LED1.3 LED1C'.1 R35.1 | length 16.7
  Top Layer w0.25: R35.1@150.5,26.775 150.47,26.745 LED1.3@150.47,24.27 151.775,22.965 151.775,20.9 151.175,20.3 151.175,18.8 152.005,17.97 156.695,17.97 157.275,18.55 LED1C'.1@158.5,18.55
NetLED2_1: LED2.1 LED2A'.1 R36.1 | length 18.2
  Top Layer w0.25: LED2.1@155.55,12.27 R36.1@155.55,15.175 ; v4(157.65,25.375) 157.675,25.375 LED2A'.1@158.5,24.55
  Bottom Layer w0.25: LED2.1@155.55,12.27 157.85,14.57 157.85,25.175 v4(157.65,25.375)
NetLED2_2: LED2.2 LED2B'.1 R37.1 | length 26.1
  Top Layer w0.25: R37.1@153,15.175 153,12.28 LED2.2@153.01,12.27 ; v4(157.65,29.4) LED2B'.1@158.5,28.55
  Bottom Layer w0.25: LED2.2@153.01,12.27 153.01,13.66 156.7,17.35 156.7,22.475 156.2,22.975 154.7,22.975 154.275,23.4 154.275,26.025 v4(157.65,29.4)
NetLED2_3: LED2.3 LED2C'.1 R38.1 | length 33.9
  Top Layer w0.25: R38.1@147.575,23.775 147.575,24.675 v4(147.95,25.05) 147.95,27.925 148.35,28.325 154.225,28.325 158.45,32.55 LED2C'.1@158.5,32.55
  Bottom Layer w0.25: v4(147.95,25.05) 147.95,22.45 150,20.4 152.344,20.4 152.75,19.994 152.75,14.55 LED2.3@150.47,12.27
NetLED3_2: LED3.2 LED3B'.1 R13.1 | length 13.3
  Top Layer w0.2: R13.1@151.75,84.3 151.75,89.01 LED3.2@153.01,90.27 154.055,89.225 156.325,89.225 LED3B'.1@158.5,87.05
NetLED3_3: LED3.3 LED3C'.1 R162.2 | length 15.5
  Top Layer w0.2: R162.2@149.15,84.225 149.15,88.95 LED3.3@150.47,90.27 151.95,91.75 157.8,91.75 LED3C'.1@158.5,91.05
NetLED3_6: LED3.6 LED3A'.2 R1.1 | length 8.5
  Top Layer w0.3: LED3.6@155.55,87.73 155.55,82.75 156.85,81.45 LED3A'.2@158.5,81.45
NetLED4_1: LED4.1 Q2.3 | length 5.2
  Top Layer w0.15: LED4.1@63.55,67.7 64.075,67.7 65.625,66.15 Q2.3@65.625,63.675